# Allegro board nu_2000_main_210405_gerber_el.brd (continued)
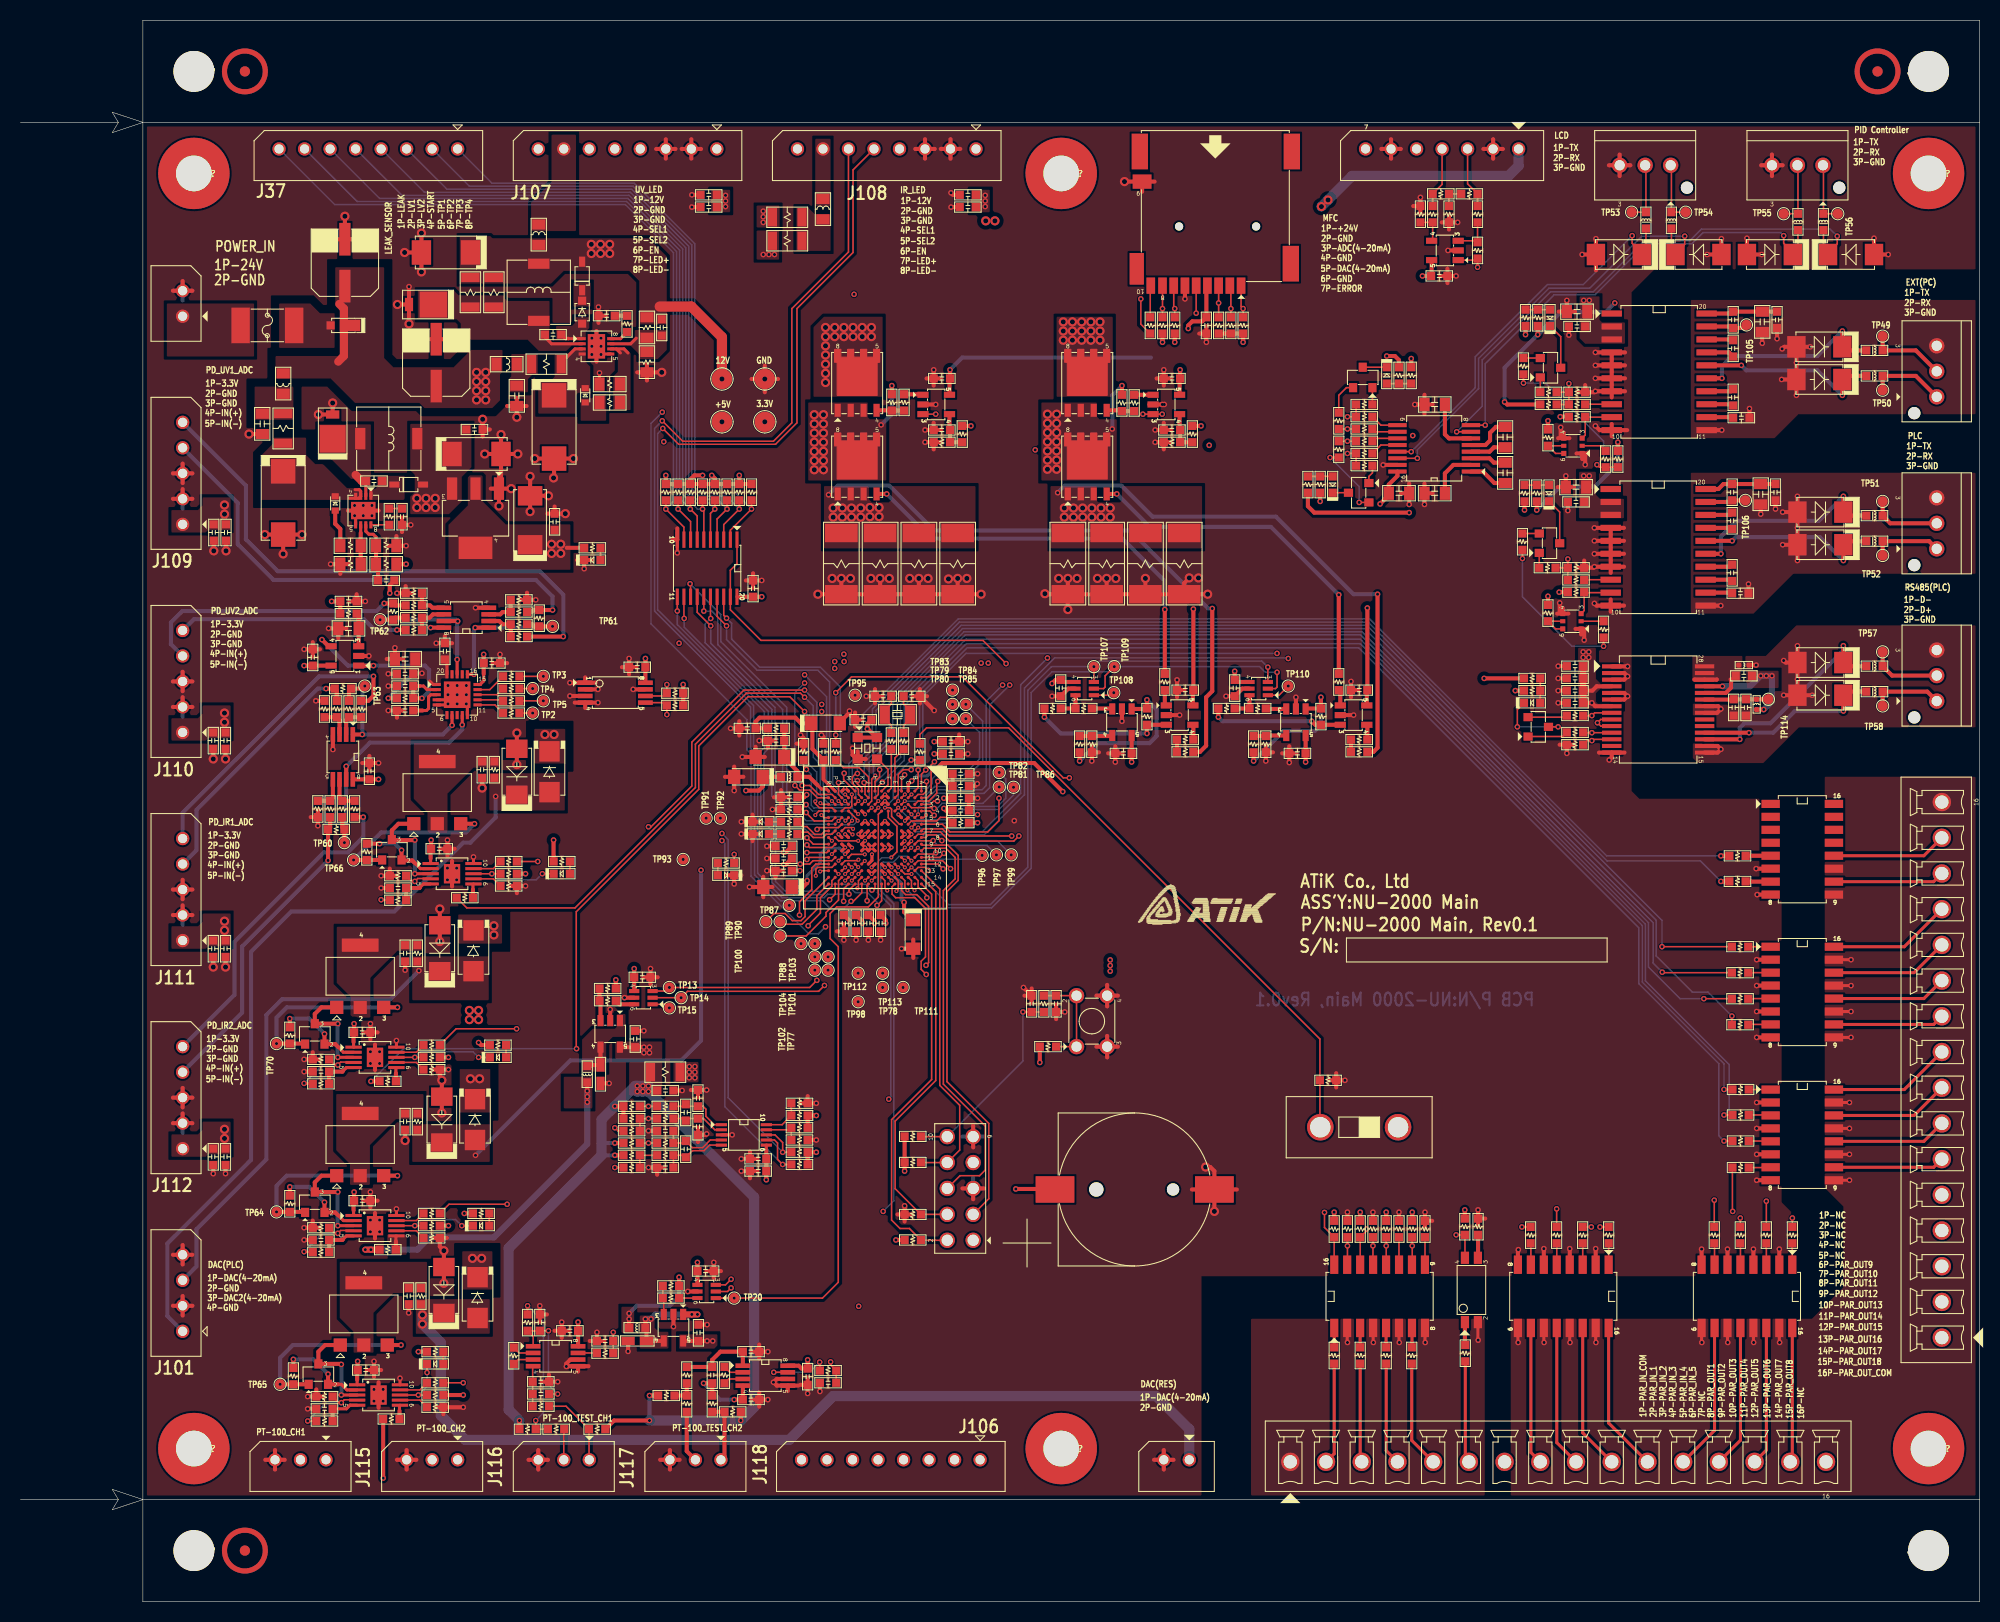
[diagram p0: board, top side]
## Placement (name value [footprint] x y rotation side) (continued)
NOREF#192  -  []  84.21 121.66 90 top
NOREF#193  -  []  39.95 48.75 0 top
NOREF#194  -  []  48.35 103 0 top
NOREF#195  -  []  174.1 90.6 90 top
NOREF#196  -  []  102.8 87 0 top
NOREF#197  -  []  54.85 52.5 0 top
NOREF#198  -  []  86.45 95.35 0 top
NOREF#199  -  []  174.15 140.8 0 top
NOREF#200  -  []  30.35 54.95 90 top
NOREF#201  -  []  72.65 81.8 0 top
NOREF#202  -  []  154.35 133.5 0 top
NOREF#203  -  []  104.35 103.35 0 top
NOREF#204  -  []  87.65 70.35 0 top
NOREF#205  -  []  152.95 95.35 90 top
NOREF#206  -  []  78.1 85.1 0 top
NOREF#207  -  []  181.3 79.03 90 top
NOREF#208  -  []  175.05 90.35 0 top
NOREF#209  -  []  110.15 115.85 0 top
NOREF#210  -  []  32 124.25 0 top
NOREF#211  -  []  138.3 131.5 90 top
NOREF#212  -  []  31.33 113.33 0 top
NOREF#213  -  []  33.8 112.95 0 top
NOREF#214  -  []  157.55 127.7 90 top
NOREF#215  -  []  61.3 51 0 top
NOREF#216  -  []  164.3 92.7 0 top
NOREF#217  -  []  130.45 108.8 90 top
NOREF#218  -  []  121.1 134.8 0 top
NOREF#219  -  []  176.97 60.3 0 top
NOREF#220  -  []  73.55 134.2 0 top
NOREF#221  -  []  41.2 126.15 0 top
NOREF#222  -  []  155.95 126.27 0 top
NOREF#223  -  []  73.25 132.5 90 top
NOREF#224  -  []  43.25 111.25 0 top
NOREF#225  -  []  166.6 97.7 90 top
NOREF#226  -  []  185.6 116.5 0 top
NOREF#227  -  []  36.3 48.7 90 top
NOREF#228  -  []  89.05 95.35 90 top
NOREF#229  -  []  30.7 21.6 90 top
NOREF#230  -  []  35.9 33.95 90 top
NOREF#231  -  []  147.75 84.8 90 top
NOREF#232  -  []  181.3 85.83 0 top
NOREF#233  -  []  75.05 82 0 top
NOREF#234  -  []  114.9 85.95 90 top
NOREF#235  -  []  38.15 46.1 0 top
NOREF#236  -  []  70.22 98.5 90 top
NOREF#237  -  []  106.15 116.14 0 top
NOREF#238  -  []  41.3 48.1 0 top
NOREF#239  -  []  106.76 116.14 90 top
NOREF#240  -  []  45.75 80.65 90 top
NOREF#241  -  []  155.05 112.2 90 top
NOREF#242  -  []  170.1 133.55 0 top
NOREF#243  -  []  173.15 121.85 0 top
NOREF#244  -  []  37.95 62.9 0 top
NOREF#245  -  []  73.4 69.05 0 top
NOREF#246  -  []  122 17.7 0 top
NOREF#247  -  []  42.2 127.45 90 top
NOREF#248  -  []  65.75 27.9 90 top
NOREF#249  -  []  125.95 84.9 90 top
NOREF#250  -  []  34.85 100.95 90 top
NOREF#251  -  []  124.45 13.7 90 top
NOREF#252  -  []  103.4 88.85 0 top
NOREF#253  -  []  110.5 151.3 0 top
NOREF#254  -  []  57.85 122.3 90 top
NOREF#255  -  []  36.25 41.1 90 top
NOREF#256  -  []  110.15 103.35 0 top
NOREF#257  -  []  40.2 70.35 0 top
NOREF#258  -  []  43.3 128.35 90 top
NOREF#259  -  []  71.45 26.8 0 top
NOREF#260  -  []  84 83.9 0 top
NOREF#261  -  []  64.95 25.55 90 top
NOREF#262  -  []  35.45 72.7 0 top
NOREF#263  -  []  181.3 108.85 90 top
NOREF#264  -  []  93.37 35.42 90 top
NOREF#265  -  []  70.8 23.12 0 top
NOREF#266  -  []  117.1 142.15 0 top
NOREF#267  -  []  37.35 72.7 90 top
NOREF#268  -  []  55.1 80.5 90 top
NOREF#269  -  []  110.78 129 0 top
NOREF#270  -  []  154.35 130.6 90 top
NOREF#271  -  []  108.15 103.35 0 top
NOREF#272  -  []  54.35 129.05 0 top
NOREF#273  -  []  38.7 32.1 0 top
NOREF#274  -  []  49.65 120.4 0 top
NOREF#275  -  []  107.05 116.45 90 top
NOREF#276  -  []  174 124.45 0 top
NOREF#277  -  []  129.8 107.25 90 top
NOREF#278  -  []  173.25 90.9 0 top
NOREF#279  -  []  55.3 51.24 0 top
NOREF#280  -  []  129.35 86.9 90 top
NOREF#281  -  []  87.6 115.85 0 top
NOREF#282  -  []  130.05 120.7 0 top
NOREF#283  -  []  30.45 93.65 0 top
NOREF#284  -  []  47.65 62.95 90 top
NOREF#285  -  []  154.4 132.05 0 top
NOREF#286  -  []  44.5 127.45 0 top
NOREF#287  -  []  154.28 144.2 0 top
NOREF#288  -  []  27.5 37.7 90 top
NOREF#289  -  []  86.7 64.4 0 top
NOREF#290  -  []  23.85 114.1 0 top
NOREF#291  -  []  90.6 114.15 90 top
NOREF#292  -  []  150.55 100.85 90 top
NOREF#293  -  []  175.05 93.55 0 top
NOREF#294  -  []  45.4 129.25 0 top
NOREF#295  -  []  106.76 107.94 90 top
NOREF#296  -  []  51.17 21.12 90 top
NOREF#297  -  []  81.15 86.2 0 top
NOREF#298  -  []  90.83 45.58 0 top
NOREF#299  -  []  38.15 42.05 90 top
NOREF#300  -  []  174.15 92.05 0 top
NOREF#301  -  []  36.25 57.6 90 top
NOREF#302  -  []  147.65 119.45 0 top
NOREF#303  -  []  174.1 87.4 90 top
NOREF#304  -  []  129.35 87.85 0 top
NOREF#305  -  []  33.2 32.2 0 top
NOREF#306  -  []  185.6 86.67 90 top
NOREF#307  -  []  80.35 103.35 0 top
NOREF#308  -  []  50.25 25.02 0 top
NOREF#309  -  []  55.05 125.28 90 top
NOREF#310  -  []  248.6 23.43 90 top
NOREF#311  -  []  59.5 26 0 top
NOREF#312  -  []  33.95 23.15 0 top
NOREF#313  -  []  32.95 117.1 0 top
NOREF#314  -  []  33.95 21.55 90 top
NOREF#315  -  []  88.75 59.9 90 top
NOREF#316  -  []  40.58 125.88 0 top
NOREF#317  -  []  138.15 31.6 0 top
NOREF#318  -  []  132.5 119 90 top
NOREF#319  -  []  181.3 100.75 0 top
NOREF#320  -  []  169.2 144.2 0 top
NOREF#321  -  []  54.2 130.25 0 top
NOREF#322  -  []  102.75 54.65 90 top
NOREF#323  -  []  48.35 94.9 90 top
NOREF#324  -  []  191.3 134.65 90 top
NOREF#325  -  []  133.05 119.3 90 top
NOREF#326  -  []  127.45 110.2 0 top
NOREF#327  -  []  108.65 95.35 0 top
NOREF#328  -  []  40.8 90.9 0 top
NOREF#329  -  []  76.75 132.6 90 top
NOREF#330  -  []  185.6 101.6 90 top
NOREF#331  -  []  53.15 120.5 90 top
NOREF#332  -  []  79.5 122.45 0 top
NOREF#333  -  []  177.72 60.38 90 top
NOREF#334  -  []  73.25 134.8 90 top
NOREF#335  -  []  44.5 127.45 90 top
NOREF#336  -  [unnamed#2]  22 5 0 top
NOREF#337  -  []  83.6 116.14 0 top
NOREF#338  -  []  41.1 61.8 90 top
NOREF#339  -  []  37.88 125.88 0 top
NOREF#340  -  []  36.65 109.5 0 top
NOREF#341  -  []  47.3 82.85 0 top
NOREF#342  -  []  173.15 118.65 0 top
NOREF#343  -  []  154.28 137.4 90 top
NOREF#344  -  []  20.55 123.35 90 top
NOREF#345  -  []  165 81.95 90 top
NOREF#346  -  []  21.95 126.7 0 top
NOREF#347  -  []  124.05 37.5 90 top
NOREF#348  -  []  115.05 95.35 90 top
NOREF#349  -  []  102.05 114.25 0 top
NOREF#350  -  []  148.85 102.8 90 top
NOREF#351  -  []  181.95 25.77 90 top
NOREF#352  -  []  38.7 29.1 90 top
NOREF#353  -  []  169.84 26.82 0 top
NOREF#354  -  []  30.32 79.88 90 top
NOREF#355  -  []  42.02 126.5 0 top
NOREF#356  -  []  65.75 27.9 0 top
NOREF#357  -  []  188.3 74.88 90 top
NOREF#358  -  []  82.05 84.7 0 top
NOREF#359  -  []  156.45 22.88 0 top
NOREF#360  -  []  62.5 24.3 90 top
NOREF#361  -  []  176.25 130.9 0 top
NOREF#362  -  []  187.8 105.7 90 top
NOREF#363  -  []  44.4 61.8 90 top
NOREF#364  -  []  84.35 84.7 90 top
NOREF#365  -  []  162.2 132.05 0 top
NOREF#366  -  []  32.58 80.6 90 top
NOREF#367  -  []  98.75 103.35 0 top
NOREF#368  -  []  80.05 110.03 90 top
NOREF#369  -  []  174.1 93.5 0 top
NOREF#370  -  []  58.9 25.09 0 top
NOREF#371  -  []  56.45 51.7 90 top
NOREF#372  -  []  54 25.6 90 top
NOREF#373  -  []  49.95 122.1 0 top
NOREF#374  -  []  40.25 131 0 top
NOREF#375  -  []  25.75 104.6 90 top
NOREF#376  -  []  174.45 22.88 90 top
NOREF#377  -  []  37.2 19.25 90 top
NOREF#378  -  []  40.1 129.95 0 top
NOREF#379  -  []  45.9 96.78 90 top
NOREF#380  -  []  41.55 117.55 90 top
NOREF#381  -  []  27.35 56.35 0 top
NOREF#382  -  []  169.2 132.05 0 top
NOREF#383  -  []  32.65 52.35 0 top
NOREF#384  -  []  130.6 119 0 top
NOREF#385  -  []  45.5 80.2 0 top
NOREF#386  -  []  44.8 27.8 90 top
NOREF#387  -  []  75.55 82.1 90 top
NOREF#388  -  []  187.8 120.6 90 top
NOREF#389  -  []  88.45 117.35 90 top
NOREF#390  -  []  76.9 41.85 0 top
NOREF#391  -  []  111 117.35 90 top
NOREF#392  -  []  66.35 29.75 0 top
NOREF#393  -  []  35.9 50.45 90 top
NOREF#394  -  []  138.85 114.6 90 top
NOREF#395  -  []  174.05 25.93 90 top
NOREF#396  -  []  173.25 105.65 0 top
NOREF#397  -  []  41.65 86.6 90 top
NOREF#398  -  []  104.85 95.35 0 top
NOREF#399  -  []  44.4 70.35 90 top
NOREF#400  -  []  50.9 28.7 0 top
NOREF#401  -  []  124.35 129.4 0 top
NOREF#402  -  []  70.5 97.7 90 top
NOREF#403  -  []  176.97 46.3 0 top
NOREF#404  -  []  146.45 84.25 0 top
NOREF#405  -  []  157.55 130.6 0 top
NOREF#406  -  []  64.8 51.1 90 top
NOREF#407  -  []  151.25 112.55 0 top
NOREF#408  -  []  176.97 46.3 90 top
NOREF#409  -  []  173.25 102.45 0 top
NOREF#410  -  []  142.84 27.4 90 top
NOREF#411  -  []  48.5 104.75 0 top
NOREF#412  -  []  138.05 25.93 90 top
NOREF#413  -  []  169.2 137.4 90 top
NOREF#414  -  []  72.95 80.05 0 top
NOREF#415  -  []  45.6 128.35 90 top
NOREF#416  -  []  45.75 83.65 0 top
NOREF#417  -  []  41.3 70.5 0 top
NOREF#418  -  []  55.8 118.9 0 top
NOREF#419  -  []  48.5 127.3 0 top
NOREF#420  -  []  102.64 116.78 0 top
NOREF#421  -  []  181.3 115.65 0 top
NOREF#422  -  []  43.9 124.15 90 top
NOREF#423  -  []  91.05 116.4 90 top
NOREF#424  -  []  76.55 103.35 0 top
NOREF#425  -  []  84.75 83.2 90 top
NOREF#426  -  []  155.3 133.55 0 top
NOREF#427  -  []  127.95 27.57 0 top
NOREF#428  -  []  41.3 45 90 top
NOREF#429  -  []  166.7 114.9 90 top
NOREF#430  -  []  73.55 133.3 90 top
NOREF#431  -  []  36.85 52.35 90 top
NOREF#432  -  []  141.05 108.55 90 top
NOREF#433  -  []  103.5 54.4 0 top
NOREF#434  -  []  109.75 43.5 0 top
NOREF#435  -  []  140.8 25.35 0 top
NOREF#436  -  []  149.45 82.85 90 top
NOREF#437  -  []  55.35 88.12 0 top
NOREF#438  -  []  23.85 108.9 0 top
NOREF#439  -  []  38.3 63.1 90 top
NOREF#440  -  []  102.34 116.14 90 top
NOREF#441  -  []  138.85 114.6 90 top
NOREF#442  -  []  121.1 134.8 90 top
NOREF#443  -  []  84.21 113.45 90 top
NOREF#444  -  []  171.65 140.8 0 top
NOREF#445  -  []  80.05 113.45 0 top
NOREF#446  -  []  35.1 123 90 top
NOREF#447  -  []  161.3 130.9 0 top
NOREF#448  -  []  20.68 123.25 0 top
NOREF#449  -  []  54.95 117.75 0 top
NOREF#450  -  []  179.47 69.75 90 top
NOREF#451  -  []  41.15 64.65 0 top
NOREF#452  -  []  176.97 74.3 90 top
NOREF#453  -  []  121.1 134.8 0 top
NOREF#454  -  []  61.6 52.7 0 top
NOREF#455  -  []  55.45 121.3 90 top
NOREF#456  -  []  38.15 44.95 0 top
NOREF#457  -  []  89.75 103.35 0 top
NOREF#458  -  []  178.25 138.6 90 top
NOREF#459  -  []  73.45 80.15 90 top
NOREF#460  -  []  131.82 142.4 0 top
NOREF#461  -  []  113.15 114.15 90 top
NOREF#462  -  []  38.35 28.25 0 top
NOREF#463  -  []  38.45 49.55 0 top
NOREF#464  -  []  80.09 108.58 0 top
NOREF#465  -  []  53.3 54.8 0 top
NOREF#466  -  []  129.38 139.3 0 top
NOREF#467  -  []  169.15 130.6 90 top
NOREF#468  -  []  50.4 116.35 0 top
NOREF#469  -  []  33.6 39.75 0 top
NOREF#470  -  []  42.4 129.95 0 top
NOREF#471  -  []  56.85 54.35 0 top
NOREF#472  -  []  63.05 25.55 0 top
NOREF#473  -  []  156.05 25.93 90 top
NOREF#474  -  []  29.6 113.25 0 top
NOREF#475  -  []  132.15 107.75 90 top
NOREF#476  -  []  12 145 0 top
NOREF#477  -  []  59.55 56.7 0 top
NOREF#478  -  []  147.4 84.3 90 top
NOREF#479  -  []  43.85 66.7 90 top
NOREF#480  -  []  159.22 140.8 0 top
NOREF#481  -  []  113.55 134.8 90 top
NOREF#482  -  []  79.79 107.94 90 top
NOREF#483  -  []  33.75 52.5 90 top
NOREF#484  -  []  42.3 109.1 0 top
NOREF#485  -  []  76.9 85.2 0 top
NOREF#486  -  []  34.85 104.45 0 top
NOREF#487  -  []  85.95 103.35 0 top
NOREF#488  -  []  172.5 130.6 0 top
NOREF#489  -  []  68.15 30.4 90 top
NOREF#490  -  []  88.45 118.3 0 top
NOREF#491  -  []  148.85 102.8 90 top
NOREF#492  -  []  61.3 51 90 top
NOREF#493  -  []  106.5 54.4 90 top
NOREF#494  -  []  148.95 120 90 top
NOREF#495  -  []  70.35 134.9 0 top
NOREF#496  -  []  30.25 42.4 90 top
NOREF#497  -  []  70.55 79.85 0 top
NOREF#498  -  []  130.15 108.7 90 top
NOREF#499  -  []  62.2 52.8 0 top
NOREF#500  -  []  34.1 19.4 90 top
NOREF#501  -  []  54.95 118.55 0 top
NOREF#502  -  []  131.3 33.02 0 top
NOREF#503  -  []  12 145 0 top
NOREF#504  -  []  174.15 88.85 0 top
NOREF#505  -  []  154.95 95 90 top
NOREF#506  -  []  55.05 128.55 90 top
NOREF#507  -  []  74.15 134.3 0 top
NOREF#508  -  []  81 85.4 90 top
NOREF#509  -  []  37.15 110.2 0 top
NOREF#510  -  []  113.6 116.4 90 top
NOREF#511  -  []  33.6 56.25 0 top
NOREF#512  -  []  105.5 143.8 0 top
NOREF#513  -  []  163.1 133.55 0 top
NOREF#514  -  []  163.32 138.6 90 top
NOREF#515  -  []  44.55 45.25 90 top
NOREF#516  -  []  32.8 124.4 0 top
NOREF#517  -  []  102.8 87 90 top
NOREF#518  -  []  28.63 113.33 0 top
NOREF#519  -  []  56.15 127.65 90 top
NOREF#520  -  []  181.3 93.95 90 top
NOREF#521  -  []  82.15 103.35 0 top
NOREF#522  -  []  31.3 108.3 0 top
NOREF#523  -  []  106.35 103.35 0 top
NOREF#524  -  []  37.9 73 90 top
NOREF#525  -  []  187.8 90.78 90 top
NOREF#526  -  []  60.2 24.99 0 top
NOREF#527  -  []  101.05 95.35 0 top
NOREF#528  -  []  59.65 25.95 0 top
NOREF#529  -  []  176.97 60.3 90 top
NOREF#530  -  []  87.95 103.35 0 top
NOREF#531  -  []  191.3 132.05 90 top
NOREF#532  -  []  112.45 95.35 0 top
NOREF#533  -  []  134.95 110.78 90 top
NOREF#534  -  []  69.35 79.95 0 top
NOREF#535  -  []  48.6 82.2 0 top
NOREF#536  -  []  30.45 107.15 0 top
NOREF#537  -  []  64 28.15 0 top
NOREF#538  -  []  34.1 19.4 0 top
NOREF#539  -  []  113.55 134.8 0 top
NOREF#540  -  []  109.4 130.65 90 top
NOREF#541  -  []  174 118.35 90 top
NOREF#542  -  []  59.55 56.7 90 top
NOREF#543  -  []  111 118.3 0 top
NOREF#544  -  []  172.5 127.7 90 top
NOREF#545  -  []  28.25 21.3 0 top
NOREF#546  -  []  185.6 116.5 90 top
NOREF#547  -  []  33.6 38.15 90 top
NOREF#548  -  []  32.6 127.35 90 top
NOREF#549  -  []  48.65 79.1 90 top
NOREF#550  -  []  45.5 76.15 90 top
NOREF#551  -  []  73.25 132.5 0 top
NOREF#552  -  []  105.2 89.5 90 top
NOREF#553  -  []  174.95 124.5 0 top
NOREF#554  -  []  30.6 25.8 90 top
NOREF#555  -  []  148.6 119.5 90 top
NOREF#556  -  []  49.65 120.4 90 top
NOREF#557  -  []  29.85 107.1 0 top
NOREF#558  -  []  168.3 130.9 0 top
NOREF#559  -  []  96.65 95.35 90 top
NOREF#560  -  []  92.85 95.35 90 top
NOREF#561  -  []  80.05 121.66 0 top
NOREF#562  -  []  56.6 51.14 0 top
NOREF#563  -  []  119.85 87 0 top
NOREF#564  -  []  32.8 112.95 0 top
NOREF#565  -  []  174.1 102.15 90 top
NOREF#566  -  []  26.55 111.8 90 top
NOREF#567  -  []  89.6 64.7 90 top
NOREF#568  -  []  37.95 58.85 90 top
NOREF#569  -  []  78.85 95.35 0 top
NOREF#570  -  []  33.75 36 90 top
NOREF#571  -  []  174.1 105.35 90 top
NOREF#572  -  []  73.25 134.8 0 top
NOREF#573  -  []  106.76 113.45 90 top
NOREF#574  -  []  29.8 54.65 90 top
NOREF#575  -  []  107.95 87.5 0 top
NOREF#576  -  []  131.5 83.7 90 top
NOREF#577  -  []  151.15 95.35 0 top
NOREF#578  -  []  23.85 114.1 90 top
NOREF#579  -  []  32.85 105.55 0 top
NOREF#580  -  []  54.35 117.7 0 top
NOREF#581  -  []  153.5 130.9 0 top
NOREF#582  -  []  151.84 26.82 0 top
NOREF#583  -  []  74.15 136.6 0 top
NOREF#584  -  []  40.75 66.7 0 top
NOREF#585  -  []  32.3 111.25 90 top
NOREF#586  -  []  174.1 105.05 0 top
NOREF#587  -  []  41.5 95.47 0 top
NOREF#588  -  []  179.47 55.75 90 top
NOREF#589  -  []  37.8 76.9 90 top
NOREF#590  -  []  177.72 46.38 90 top
NOREF#591  -  []  107.05 108.25 90 top
NOREF#592  -  []  33.75 36 0 top
NOREF#593  -  []  41.55 120.75 90 top
NOREF#594  -  []  177.72 74.39 90 top
NOREF#595  -  []  102.59 110.03 90 top
NOREF#596  -  []  12 145 0 top
NOREF#597  -  []  96.4 143.65 0 top
NOREF#598  -  []  118.85 95.35 90 top
NOREF#599  -  []  36.85 35.85 90 top
NOREF#600  -  []  12 145 0 top
NOREF#601  -  []  192 10 90 top
NOREF#602  -  []  128.5 85.4 0 top
NOREF#603  -  []  156.72 140.8 0 top
NOREF#604  -  []  191.2 30.32 0 top
NOREF#605  -  []  33.2 48.7 0 top
NOREF#606  -  []  138.3 131.5 0 top
NOREF#607  -  []  33.05 90.8 90 top
NOREF#608  -  []  179.4 10.8 90 top
NOREF#609  -  []  108.9 140.3 0 top
NOREF#610  -  []  41.55 30.65 0 top
NOREF#611  -  []  174.05 119.8 0 top
NOREF#612  -  []  106.15 107.94 0 top
NOREF#613  -  [unnamed#2]  22 150 180 bottom
NOREF#614  -  [unnamed#2]  22 5 180 bottom
NOREF#615  -  [unnamed#2]  182 150 0 bottom
Q1  MMBT5087LT1G  [SOT23_3P_I]  28.85 39.15 0 top
Q5  MMBT5087LT1G  [SOT23_3P_I]  29.2 22.3 0 top
Q7  MMBT5087LT1G  [SOT23_3P_I]  36.4 73.7 0 top
Q9  MMBT5087LT1G  [SOT23_3P_I]  28.85 55.65 0 top
Q15  SiR472ADP  [PPAK_SO8_8P_A]  82 119.45 0 top
Q16  SiR472ADP  [PPAK_SO8_8P_A]  82 111.25 0 top
Q17  SiR472ADP  [PPAK_SO8_8P_A]  104.55 119.45 0 top
Q18  SiR472ADP  [PPAK_SO8_8P_A]  104.55 111.25 0 top
Q19  BSP170P  [SOT223_4P]  40.85 79.3 0 top
Q20  BSP170P  [SOT223_4P]  33.3 61.3 0 top
Q21  BSP170P  [SOT223_4P]  33.3 44.8 0 top
Q22  BSP170P  [SOT223_4P]  33.65 28.2 0 top
R1  10K/R1608  [R1608]  100.7 54.4 180 top
R2  0/R1608  [R1608]  86.55 84.35 90 top
R3  0/R1608  [R1608]  79.9 83.3 270 top
R4  1k/R1608  [R1608]  100.3 58.6 90 top
R5  10K/R1608  [R1608]  92.15 76.35 180 top
R6  0/R1608  [R1608]  85.35 84.35 90 top
R7  10K/R1608  [R1608]  76.75 83.3 90 top
R8  0/R1608  [R1608]  88.15 83.3 270 top
R9  10K/R1608  [R1608]  75.35 77.65 0 top
R10  1k/R1608  [R1608]  75.35 76.45 180 top
R11  1k/R1608  [R1608]  75.35 75.25 180 top
R12  10/R1608  [R1608]  74.05 85.6 180 top
R13  47K/R1608  [R1608]  119.83 125.1 270 top
R14  47K/R1608  [R1608]  118.62 125.1 270 top
R15  47K/R1608  [R1608]  117.42 125.1 270 top
R16  47K/R1608  [R1608]  113.12 125.1 270 top
R17  47K/R1608  [R1608]  111.92 125.1 270 top
R18  3.3K/R1608  [R1608]  29.45 34.25 180 top
R19  10K/R1608  [R1608]  64.15 89.05 0 top
R20  10K/R1608  [R1608]  64.15 87.85 0 top
R21  100K/R1608  [R1608]  87.45 35.45 180 top
R22  100K/R1608  [R1608]  87.45 43.05 180 top
R23  100K/R1608  [R1608]  87.45 45.6 180 top
R24  0/R1608  [R1608]  110.72 125.1 270 top
R25  100K/R1608  [R1608]  87.45 37.95 0 top
R27  1/R3216  [R3216]  25.75 115 270 top
R28  61.9K/R2012_F  [R2012]  35.85 101.7 180 top
R29  806K/R2012  [R2012]  32.35 103.5 0 top
R30  11.5K/R2012_F  [R2012]  35.85 103.5 0 top
R31  75K/R2012_F  [R2012]  32.35 101.7 180 top
R32  100K/R1608  [R1608]  36.15 106.35 90 top
R33  100K/R1608  [R1608]  63.25 108.75 90 top
R34  100K/R1608  [R1608]  64.45 108.75 90 top
R35  100K/R1608  [R1608]  65.65 108.75 90 top
R36  100K/R1608  [R1608]  66.85 108.75 90 top
R37  100K/R1608  [R1608]  68.05 108.75 90 top
R38  100K/R1608  [R1608]  69.25 108.75 90 top
R39  100K/R1608  [R1608]  70.45 108.75 90 top
R40  100K/R1608  [R1608]  71.65 108.75 90 top
R45  10/R1608  [R1608]  131.7 113.75 0 top
R46  10/R1608  [R1608]  131.7 114.95 0 top
R47  10/R1608  [R1608]  131.7 112.55 0 top
R48  10/R1608  [R1608]  131.7 116.15 0 top
R58  10K/R1608  [R1608]  32.15 96.85 0 top
R59  10/R1608  [R1608]  37.7 88.55 0 top
R81  2K/R1608  [R1608]  128.75 24.12 90 top
R82  2K/R1608  [R1608]  131.3 24.12 90 top
R83  2K/R1608  [R1608]  133.85 24.12 90 top
R84  2K/R1608  [R1608]  136.35 24.12 90 top
R85  2K/R1608  [R1608]  128.75 36.52 90 top
R86  2K/R1608  [R1608]  131.3 36.52 90 top
R87  2K/R1608  [R1608]  133.85 36.52 90 top
R88  2K/R1608  [R1608]  136.4 36.52 90 top
R89  0/R1608  [R1608]  130.05 36.52 90 top
R90  0/R1608  [R1608]  132.55 36.52 90 top
R91  0/R1608  [R1608]  135.1 36.52 90 top
R92  0/R1608  [R1608]  137.65 36.52 90 top
R141  15R/R1608  [R1608]  26.4 39 90 top
R142  10K/R1608  [R1608]  40.3 38.05 180 top
R143  33K/R1608  [R1608]  29.45 36.65 0 top
R144  15R/R1608  [R1608]  38.9 47.05 270 top
R145  2K/R1608  [R1608]  40.3 35.65 180 top
R146  10K/R1608  [R1608]  36 34.5 0 top
R147  15R/R1608  [R1608]  26.75 22.1 90 top
R148  10K/R1608  [R1608]  40.65 21.45 180 top
R149  3.3K/R1608  [R1608]  29.8 17.7 180 top
R150  33K/R1608  [R1608]  29.8 20.1 0 top
R151  15R/R1608  [R1608]  39.25 29.95 270 top
R152  2K/R1608  [R1608]  40.65 19.05 180 top
R153  10K/R1608  [R1608]  36.35 17.9 0 top
R156  10K/R1608  [R1608]  76.35 42.85 0 top
R157  10K/R1608  [R1608]  76.35 44.05 0 top
R158  3.3K_1608_F  [R1608]  59.9 48.55 180 top
R160  3.3K_1608_F  [R1608]  59.9 47.35 180 top
R162  NC_10K/R1608  [R1608]  76.35 46.45 0 top
R163  10K/R1608  [R1608]  76.35 47.65 0 top
R164  10K/R1608  [R1608]  76.35 45.25 180 top
R165  NC_10K_1608  [R1608]  76.35 48.85 180 top
R171  2K/R1608  [R1608]  141.55 36.75 90 top
R175  2K/R1608  [R1608]  141.6 24.35 90 top
R176  1K/R1608  [R1608]  155.65 35.92 270 top
R177  0/R1608  [R1608]  142.85 36.75 90 top
R178  1K/R1608  [R1608]  153.1 35.92 270 top
R180  1K/R1608  [R1608]  150.55 35.92 270 top
R188  1K/R1608  [R1608]  148 35.92 270 top
R189  1K/R1608  [R1608]  173.65 35.92 270 top
R191  1K/R1608  [R1608]  171.1 35.92 270 top
R193  1K/R1608  [R1608]  168.55 35.92 270 top
R198  1K/R1608  [R1608]  166 35.92 270 top
R199  1K/R1608  [R1608]  168.57 50.2 0 top
R200  1K/R1608  [R1608]  168.57 47.7 0 top
R201  1K/R1608  [R1608]  168.57 45.15 0 top
R206  1K/R1608  [R1608]  168.57 42.55 0 top
R207  1K/R1608  [R1608]  168.53 64.2 0 top
R208  1K/R1608  [R1608]  168.53 61.65 0 top
R209  1K/R1608  [R1608]  168.53 59.1 0 top
R214  1K/R1608  [R1608]  168.53 56.55 0 top
R215  1K/R1608  [R1608]  168.28 73.1 0 top
R216  1K/R1608  [R1608]  168.28 70.6 0 top
R217  15R/R1608  [R1608]  33.95 73.5 90 top
R218  10K/R1608  [R1608]  47.85 72.55 180 top
R219  3.3K/R1608  [R1608]  37 68.75 180 top
R220  33K/R1608  [R1608]  37 71.15 0 top
R221  15/R1608  [R1608]  46.45 81.55 270 top
R222  1.5K/R1608  [R1608]  47.85 70.15 180 top
R223  10K/R1608  [R1608]  43.55 69 0 top
R225  15/R1608  [R1608]  26.4 55.5 90 top
R226  10K/R1608  [R1608]  40.3 54.55 180 top
R227  3.3K/R1608  [R1608]  29.45 50.75 180 top
R228  33K/R1608  [R1608]  29.45 53.15 0 top
R229  15/R1608  [R1608]  38.9 63.55 270 top
R230  1.5K/R1608  [R1608]  40.3 52.15 180 top
R231  10K/R1608  [R1608]  36 51 0 top
R232  3.3K/R1608_F  [R1608]  56.52 16.9 0 top
R233  3.3K/R1608_F  [R1608]  49.7 16.9 180 top
R246  3.3K_1608_F  [R1608]  59.9 44.95 180 top
R247  3.3K_1608_F  [R1608]  59.9 43.75 180 top
R255  1k/R1608  [R1608]  69.15 72.4 180 top
R256  2k/R1608  [R1608]  56.05 103.3 0 top
R257  2K/R1608  [R1608]  53.05 72.55 180 top
R258  10K/R1608  [R1608]  47.85 71.35 0 top
R259  2K/R1608  [R1608]  46.8 54.55 180 top
R260  10K/R1608  [R1608]  40.3 53.35 0 top
R261  2K/R1608  [R1608]  45.15 38.05 180 top
R262  10K/R1608  [R1608]  40.3 36.85 0 top
R263  2K/R1608  [R1608]  40.65 24.5 180 top
R264  10K/R1608  [R1608]  40.65 20.25 0 top
R265  10K/R1608  [R1608]  57.55 58.9 180 top
R266  10K/R1608  [R1608]  63.75 29.75 180 top
R267  NC_0_1608  [R1608]  57.55 60.1 180 top
R268  NC_0_1608  [R1608]  63.75 30.95 180 top
R269  330/R1608  [R1608]  48.1 88.3 0 top
R270  330/R1608  [R1608]  48.1 90.7 0 top
R271  330/R1608  [R1608]  48.1 89.5 0 top
R272  330/R1608  [R1608]  48.1 87.1 0 top
R273  10K/R1608  [R1608]  48.85 94.6 0 top
R274  10K/R1608  [R1608]  48.85 97 0 top
R275  10K/R1608  [R1608]  48.85 95.8 180 top
R276  10K/R1608  [R1608]  48.85 98.2 0 top
R277  10K/R1608  [R1608]  38.55 96.45 0 top
R278  10K/R1608  [R1608]  38.55 95.25 180 top
R279  10K/R1608  [R1608]  38.55 97.65 180 top
R280  10K/R1608  [R1608]  38.55 98.85 180 top
R281  10K/R1608  [R1608]  32.2 87.5 270 top
R282  10K/R1608  [R1608]  33.4 87.5 90 top
R283  10K/R1608  [R1608]  31 87.5 90 top
R284  10K/R1608  [R1608]  29.8 87.5 90 top
R285  10K/R1608  [R1608]  31.55 77.7 90 top
R286  10K/R1608  [R1608]  32.75 77.7 270 top
R287  10K/R1608  [R1608]  30.35 77.7 270 top
R288  10K/R1608  [R1608]  29.15 77.7 270 top
R289  NC_0_R1608  [R1608]  50.85 96.4 90 top
R290  NC_0_R1608  [R1608]  36.55 97.05 90 top
R291  NC_0_R1608  [R1608]  31.6 89.5 180 top
R292  NC_0_R1608  [R1608]  30.95 75.7 180 top
R293  1/R3216  [R3216]  51.55 121.3 0 top
R294  71.5K/R2012_F  [R2012]  61.4 124.9 270 top
R295  NC_806K/R2012  [R2012]  57.75 117.55 0 top
R296  4.99K/R2012_F  [R2012]  61.4 121.5 270 top
R297  100K/R1608  [R1608]  59.45 125.25 90 top
R298  75K/R2012_F  [R2012]  57.75 119.35 180 top
R300  2K/R3216  [R3216]  46.4 128.35 90 top
R301  2K/R3216  [R3216]  44.1 128.35 90 top
R302  NC_1K/R1608  [R1608]  105 84.05 90 top
R303  0/R1608  [R1608]  103.8 84.05 270 top
R304  100/R1608  [R1608]  112.15 90.15 90 top
R305  1K/R1608  [R1608]  114.15 84.5 0 top
R309  62/R6432  [R6432]  80.45 101.75 90 top
R310  62/R6432  [R6432]  84.25 101.75 90 top
R313  10K/R1608  [R1608]  85.4 117.55 270 top
R314  1K/R1608  [R1608]  92.3 114.45 90 top
R315  2K/R1608  [R1608]  90.3 113.65 0 top
R316  100/R1608  [R1608]  86.6 117.55 270 top
R317  1K/R1608  [R1608]  114.85 114.45 90 top
R318  100/R1608  [R1608]  109.15 117.5 270 top
R319  2K/R1608  [R1608]  112.85 113.65 0 top
R320  10K/R1608  [R1608]  107.95 117.5 270 top
R321  100/R1608  [R1608]  129.2 90.15 90 top
R322  NC_1K/R1608  [R1608]  122.05 84.05 90 top
R323  0/R1608  [R1608]  120.85 84.05 270 top
R324  1K/R1608  [R1608]  131.2 84.5 0 top
R326  62R/R6432  [R6432]  106.45 101.75 90 top
R327  62R/R6432  [R6432]  110.25 101.75 90 top
R328  62R/R6432  [R6432]  114.05 101.75 90 top
R329  62R/R6432  [R6432]  102.65 101.75 90 top
R332  0/R1608  [R1608]  121.25 87.55 0 top
R333  0/R1608  [R1608]  104.2 87.55 0 top
R334  1k/R1608  [R1608]  63.2 48.55 180 top
R335  1k/R1608  [R1608]  63.2 47.35 180 top
R336  91_R1608_F  [R1608]  59.9 46.15 180 top
R337  1k/R1608  [R1608]  63.2 44.95 180 top
R338  1k/R1608  [R1608]  63.2 43.75 180 top
R339  91_R1608_F  [R1608]  59.9 42.55 180 top
R340  91_R1608_F  [R1608]  52.5 16.9 0 top
R341  1k/R1608  [R1608]  49.7 27.35 90 top
R342  1k/R1608  [R1608]  51 19.15 0 top
R344  3.9K_1608_F  [R1608]  48.35 24.1 270 top
R345  1k/R1608  [R1608]  57.3 24.35 180 top
R346  3.3K/R1608_F  [R1608]  69.8 18.6 0 top
R347  3.3K/R1608_F  [R1608]  63.3 20.2 180 top
R348  1k/R1608  [R1608]  65.3 22.2 270 top
R349  91_R1608_F  [R1608]  65.3 19.4 270 top
R350  3.9K_1608_F  [R1608]  69 22.2 270 top
R351  1k/R1608  [R1608]  79.15 22.65 180 top
R352  1k/R1608  [R1608]  67.8 19.4 270 top
R353  0/R1608  [R1608]  127.38 109.5 90 top
R354  NC_0_R1608  [R1608]  126.17 109.5 270 top
R355  470/R1608  [R1608]  129.2 112.95 90 top
R356  470/R1608  [R1608]  131.7 111.35 180 top
R357  0/R1608  [R1608]  135.1 120.2 270 top
R358  NC_0_R1608  [R1608]  136.3 120.2 90 top
R359  470/R1608  [R1608]  129.2 115.75 270 top
R360  470/R1608  [R1608]  131.7 117.35 180 top
R361  0/R1608  [R1608]  148.7 125.85 90 top
R362  NC_0_R1608  [R1608]  147.5 125.85 270 top
R363  470/R1608  [R1608]  147.3 121.1 270 top
R364  470/R1608  [R1608]  149.75 118.55 0 top
R365  0/R1608  [R1608]  148.6 108.65 90 top
R366  NC_0_R1608  [R1608]  147.4 108.65 270 top
R367  470/R1608  [R1608]  147.2 103.9 270 top
R368  470/R1608  [R1608]  149.65 101.35 0 top
R369  0/R1608  [R1608]  148.15 89.3 0 top
R370  NC_0_R1608  [R1608]  148.15 90.5 180 top
R371  470/R1608  [R1608]  152.35 86.85 0 top
R372  470/R1608  [R1608]  152.35 85.2 0 top
R373  0R/R1608  [R1608]  131.2 83.3 0 top
R374  10K/R1608  [R1608]  128.15 51.1 0 top
R375  1/R3216  [R3216]  63.2 51.9 0 top
R376  NC_62/R6432  [R6432]  88.05 101.75 90 top
R377  NC_62/R6432  [R6432]  91.85 101.75 90 top
R378  0R/R1608  [R1608]  114.15 83.3 0 top
R379  0R/R3216  [R3216]  75.15 133.4 0 top
R380  NC_0_R3216  [R3216]  75.15 135.7 180 top
R381  100K/R1608  [R1608]  142.8 136 270 top
R383  100K/R1608  [R1608]  137.2 136 90 top
R384  100K/R1608  [R1608]  142.8 132.45 270 top
R385  75/R1608_F  [R1608]  142 138 0 top
R386  100K/R1608  [R1608]  138.4 136 270 top
R387  75/R1608_F  [R1608]  139.2 138 0 top
R388  0R/R1608  [R1608]  140 136 270 top
R389  0R/R1608  [R1608]  110.4 86.75 270 top
R390  NC_0R/R1608  [R1608]  101.15 87.55 180 top
R391  0R/R1608  [R1608]  127.45 86.75 270 top
R392  NC_0R/R1608  [R1608]  118.2 87.55 180 top
R393  2K/R1608  [R1608]  152.45 100.15 0 top
R394  3K/R1608  [R1608]  152.45 101.35 180 top
R395  2K/R1608  [R1608]  152.55 117.35 0 top
R396  3K/R1608  [R1608]  152.55 118.55 180 top
R397  1K/R1608  [R1608]  155.35 112 90 top
R398  2k/R1608  [R1608]  149.7 114.1 270 top
R399  2k/R1608  [R1608]  152.55 116.15 0 top
R400  2k/R1608  [R1608]  149.7 96.9 270 top
R401  2k/R1608  [R1608]  152.45 98.95 0 top
R402  1K/R1608  [R1608]  155.15 95.3 90 top
R403  10K/R1608  [R1608]  152.35 84 0 top
R404  47K/R1608  [R1608]  156.55 112 270 top
R405  47K/R1608  [R1608]  149.75 117.35 0 top
SW1  TS-1109  [SW_TS_1109_4P]  105 56.9 90 top
SW2  DIP_SW_7.62mm_PITCH  [DUMMY_SW_2P]  131.2 46.5 180 top
TP2  TP  [TP_100]  50.2 87.1 0 top
TP3  TP  [TP_100]  51.25 90.7 0 top
TP4  TP  [TP_100]  50.2 89.5 90 top
TP5  TP  [TP_100]  51.25 88.3 0 top
TP13  TP  [TP_100]  63.6 60.2 90 top
TP14  TP  [TP_100]  64.75 59.2 90 top
TP15  TP  [TP_100]  63.6 58.2 90 top
TP20  TP  [TP_100]  69.95 29.75 90 top
TP49  TP  [TP_100]  182.5 124.05 0 top
TP50  TP  [TP_100]  182.5 118.75 0 top
TP51  TP  [TP_100]  182.5 107.85 0 top
TP52  TP  [TP_100]  182.5 102.55 0 top
TP53  TP  [TP_100]  157.9 136.2 90 top
TP54  TP  [TP_100]  163.2 136.2 90 top
TP55  TP  [TP_100]  172.8 136.05 90 top
TP56  TP  [TP_100]  178.1 136.05 90 top
TP57  TP  [TP_100]  182.5 93.1 90 top
TP58  TP  [TP_100]  182.5 87.8 90 top
TP60  TP  [TP_100]  31.75 74.4 0 top
TP61  TP  [TP_100]  52.15 95.6 0 top
TP62  TP  [TP_100]  35.25 96.25 0 top
TP63  TP  [TP_100]  33.75 89.75 0 top
TP64  TP  [TP_100]  25.1 38.2 0 top
TP65  TP  [TP_100]  25.45 21.3 0 top
TP66  TP  [TP_100]  32.65 72.7 0 top
TP70  TP  [TP_100]  25.1 54.7 0 top
TP77  TP  [TP_100]  79.15 61.9 0 top
TP78  TP  [TP_100]  84.5 60.2 0 top
TP79  TP  [TP_100]  91.35 87.95 0 top
TP80  TP  [TP_100]  91.35 86.55 0 top
TP81  TP  [TP_100]  95.92 79.85 0 top
TP82  TP  [TP_100]  95.92 81.28 0 top
TP83  TP  [TP_100]  91.35 89.35 0 top
TP84  TP  [TP_100]  92.65 87.95 0 top
TP85  TP  [TP_100]  92.65 86.55 0 top
TP86  TP  [TP_100]  97.33 79.83 0 top
TP87  TP  [TP_100]  75.35 68.25 0 top
TP88  TP  [TP_100]  76.5 64.5 0 top
TP89  TP  [TP_100]  73.05 66.65 0 top
TP90  TP  [TP_100]  74.45 66.65 0 top
TP91  TP  [TP_100]  67.2 76.8 0 top
TP92  TP  [TP_100]  68.6 76.8 0 top
TP93  TP  [TP_100]  64.95 72.75 0 top
TP95  TP  [TP_100]  81.8 88.85 0 top
TP96  TP  [TP_100]  94.25 73.15 0 top
TP97  TP  [TP_100]  95.65 73.2 0 top
TP98  TP  [TP_100]  82.1 58.8 0 top
TP99  TP  [TP_100]  97.1 73.2 0 top
TP100  TP  [TP_100]  74.45 65.25 0 top
TP101  TP  [TP_100]  79.15 63.2 0 top
TP102  TP  [TP_100]  77.85 61.9 0 top
TP103  TP  [TP_100]  77.85 64.5 0 top
TP104  TP  [TP_100]  77.85 63.2 0 top
TP105  TP  [TP_100]  169.15 125.15 0 top
TP106  TP  [TP_100]  169.05 107.95 0 top
TP107  TP  [TP_100]  105.2 91.65 0 top
TP108  TP  [TP_100]  107.15 89.1 0 top
TP109  TP  [TP_100]  107.2 91.65 0 top
TP110  TP  [TP_100]  124.25 89.75 0 top
TP111  TP  [TP_100]  86.5 60.2 0 top
TP112  TP  [TP_100]  82.1 61.6 0 top
TP113  TP  [TP_100]  84.5 61.6 0 top
TP114  TP  [TP_100]  171.3 88.45 0 top
TP115  TP  [TP_200]  72.95 119.85 0 top
TP116  TP  [TP_200]  68.75 119.85 0 top
TP117  TP  [TP_200]  68.75 115.65 0 top
TP118  TP  [TP_200]  72.95 115.65 0 top
U1  Value  [BGA_10X10_201P]  83.75 74.9 270 top
U3  PDIP  [TSSOP_8P_B]  58.3 89.1 270 top
U4  XTR111AID  [MSOP_10P_TAB_B]  34.75 36.85 270 top
U6  TLV1117-33CD  [SOT_223_4P_C]  44.6 106.2 180 top
U7  SN74LVC540APWR  [TSSOP_20P_C]  67.3 101.3 180 top
U9  LTC2630  [SC70_6P_B]  61.05 59.2 270 top
U11  OPA348AIDBVR  [SOT23_5P_H]  57.8 55.65 180 top
U12  LTC2630  [SC70_6P_B]  67.25 30.4 270 top
U13  OPA348AIDBVR  [SOT23_5P_H]  64 26.85 180 top
U19  SP3232ECA-L/TR  [SSOP_16P_A]  138.55 113.05 90 top
U22  OPA2333AIDGK  [VSSOP_8P_B]  43.7 96.45 90 top
U26  AD8605_1  [SOT23_5P]  31.8 92.7 90 top
U28  AD7682BCPZ  [LFCSP_20P_TAB]  42.8 88.9 0 top
U42  TLP293_4  [SOIC_16P_K]  133.2 29.93 0 top
U43  XTR111AID  [MSOP_10P_TAB_B]  35.1 20.25 270 top
U44  MCP3427-E/UN  [MSOP_10P]  70.9 45.75 270 top
U45  TLP293_4  [SOIC_16P_K]  151.2 29.93 180 top
U46  TLP293_4  [SOIC_16P_K]  169.2 29.93 180 top
U47  TLP293_4  [SOIC_16P_K]  174.62 45.75 270 top
U48  TLP293_4  [SOIC_16P_K]  174.62 59.75 270 top
U49  TLP293_4  [SOIC_16P_K]  174.62 73.75 270 top
U50  XTR111AID  [MSOP_10P_TAB_B]  42.3 71.35 270 top
U53  XTR111AID  [MSOP_10P_TAB_B]  34.75 53.35 270 top
U55  OPA2333AIDGK  [VSSOP_8P_B]  31.6 82.8 180 top
U58  LM7301IM5/NOPB  [SOT23_5P_H]  107.95 86.2 180 top
U59  LM7301IM5/NOPB  [SOT23_5P_H]  113.6 86.9 270 top
U61  TLV3701IDBVT  [SOT23_5P_H]  89.75 117.35 270 top
